# KiCad board sun3_60.kicad_pcb (continued)
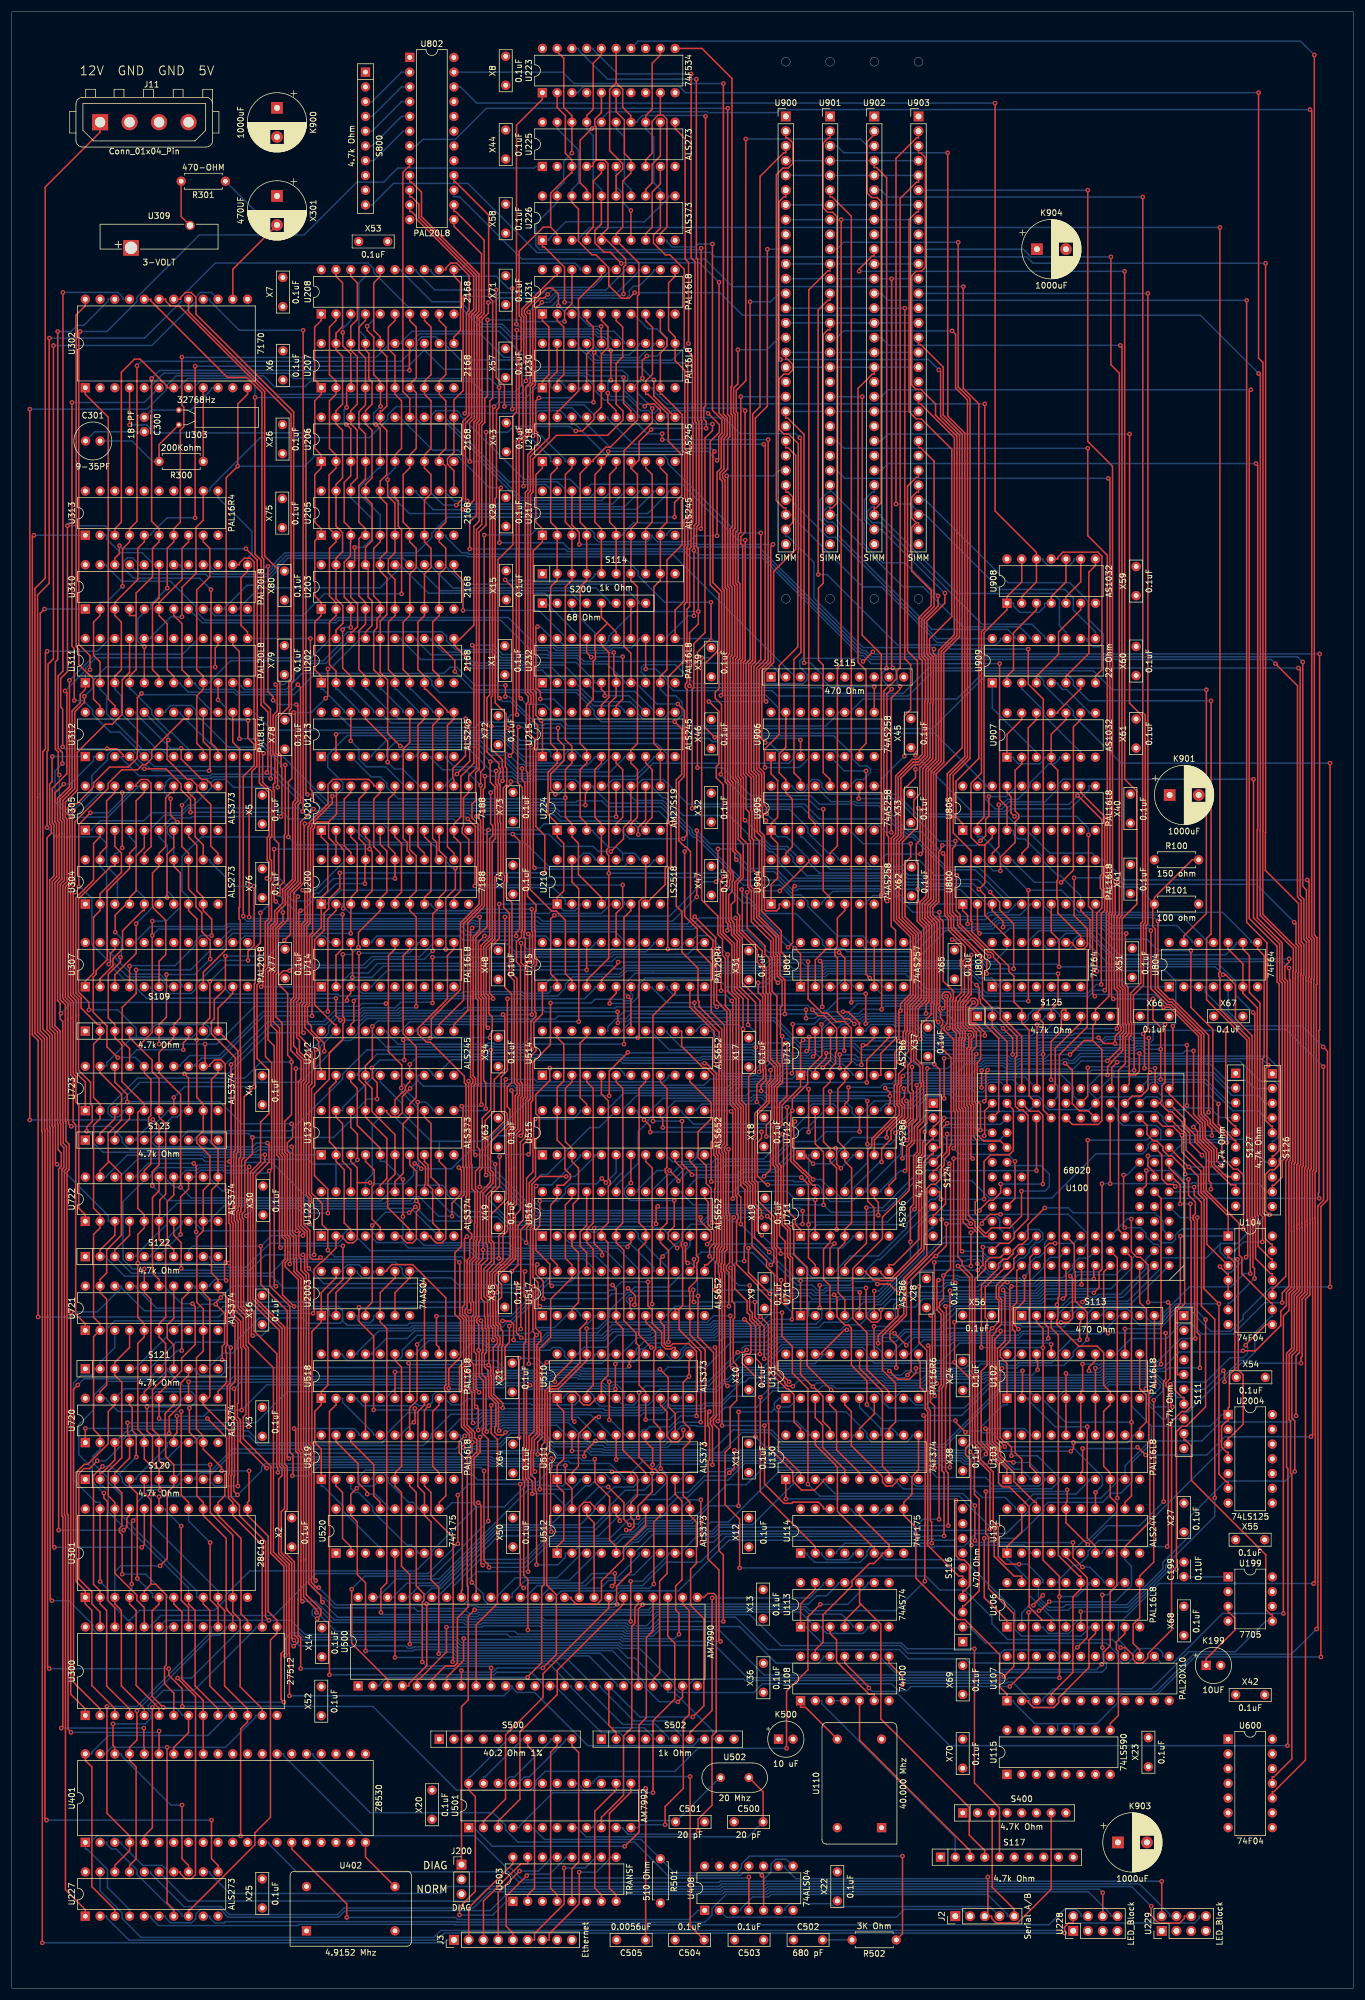
[diagram p0: board, top side]
## Routing (per net, layer and track width the routed paths; a pad name or vN(x,y) marks a point on that pad's centre or on a via; arc(x,y) is an arc through that point) (continued)
/E.HOLD-: length 122.5
  Top w0.25: v1(120.67,67.23) 120.67,47.87 116.84,44.04 S502.7 ; U520.5 v1(66.04,56.98)
  Bottom w0.25: S502.7 115.71,42.92 115.71,43.2 112.86,46.05 107.21,46.05 101.47,51.8 101.47,52.08 U500.17 95.62,56.8 76.43,56.8 76.27,56.97 73.95,56.97 73.88,56.89 73.27,56.89 73.19,56.98 v1(66.04,56.98) ; v1(120.67,67.23) 137.51,67.23 139.86,69.58 139.86,69.86 U113.12
/E.IRQ-: length 215.6
  Top w0.25: v1(42.7,178.84) 42.7,173.18 42.27,172.76 42.27,160.13 44.32,158.07 44.32,150.58 42.89,149.14 42.89,142.33 41.15,140.59 41.15,118.26 46.13,113.27 46.13,89.93 46.58,89.48 46.58,88.29 46,87.71 46,74.86 47.81,73.05 47.81,57.67 47.86,57.62 v1(47.86,50.37)
  Bottom w0.25: v1(42.7,178.84) 42.59,178.95 40.64,178.95 U307.13 ; U500.11 86.23,52.08 86.23,51.8 ; v1(47.86,50.37) 84.8,50.37 86.23,51.8 ; 86.23,51.8 87.07,50.95 90.09,50.95 99.26,41.79 117.41,41.79 118.25,42.63 118.25,42.92 S502.8
/E.REQ-: length 102.4
  Top w0.25: v1(129.01,115.63) 130.37,114.27 130.37,97.27 130.42,97.21 130.42,93.13 134.56,88.99 134.56,87.34 136.1,85.8 138.3,85.8 139.86,87.36 139.86,87.64 U130.4
  Bottom w0.25: v1(129.01,115.63) 127.84,114.47 121.08,114.47 120.43,113.81 110.05,113.81 109.75,113.51 103.37,113.51 102.68,112.82 102.68,112.73 101.93,111.98 92.6,111.98 91.49,110.86 82.01,110.86 81.37,111.5 71.78,111.5 69.71,109.43 69.71,109.22 U518.14
/EN.CAS: length 237.9
  Top w0.25: v1(118.14,210.18) 118.14,230.08 120.48,232.42 v1(120.48,238.66)
  Bottom w0.25: v1(118.14,210.18) 122.48,210.18 127.31,205.35 137.67,205.35 139.14,203.89 145.21,203.89 145.43,203.66 149.34,203.66 154.33,198.68 155.4,198.68 161.03,193.05 166.62,193.05 171.84,187.83 177.08,187.83 177.81,187.09 177.81,186.35 179.34,184.82 201.43,184.82 205.89,180.36 205.89,180.08 U804.11 ; U310.21 21.95,243.49 33.43,243.49 33.87,243.06 44.04,243.06 45.34,244.35 45.34,244.74 47.3,246.71 78.38,246.71 78.6,246.49 105.41,246.49 107.95,243.95 107.95,243.2 112.49,238.66 v1(120.48,238.66)
/EN.DEV-: length 297
  Top w0.25: v1(176.74,106.52) 176.74,107.89 176.55,108.09 U102.18 ; v1(122.58,191.39) 122.58,191.13 122.1,190.65 122.1,181.65 124.07,179.69 124.07,171.68 125.26,170.49 125.26,158.57 125.27,158.56 125.27,152.64 126.06,151.84 126.06,138.65 126.76,137.94 126.76,134.46 127.54,133.69 127.54,127.88 130.05,125.37 130.05,124.26 131.39,122.92 131.39,106.28 133.22,104.45 133.22,104.14 133.64,103.72 134.57,103.72 v1(134.61,103.68) ; U715.4 99.06,173.58 102.87,177.39 v1(102.87,192) 102.87,195.08 102.5,195.45 102.5,196.05 102.87,196.42 102.87,221.15 104.14,222.42 U232.6 104.14,225.93 103.73,226.33 v1(103.73,230.01)
  Bottom w0.25: v1(122.58,191.39) 121.97,192 v1(102.87,192) ; v1(103.73,230.01) 103.66,229.94 92.71,229.94 92.25,230.39 89.43,230.39 84.23,235.58 56.34,235.58 55.88,235.13 32.85,235.13 U310.8 ; v1(134.61,103.68) 135.6,104.68 149.88,104.68 150.35,104.22 152.07,104.22 152.09,104.24 156.79,104.24 157.9,105.35 167.39,105.35 167.65,105.61 175.84,105.61 v1(176.74,106.52)
/EN.E-: length 206.9
  Top w0.25: v1(49.03,221.05) 49.31,220.76 49.31,204.4 48.86,203.95 48.86,201.85 48.86,201.85 48.86,190.78 47.13,189.05 47.13,186.6 46.5,185.97 46.43,185.97 46.01,185.55 46.01,185.48 45.77,185.24 45.77,183.43 45.05,182.71 45.05,175.39 44.63,174.96 44.63,165.88 45.7,164.82 45.7,143.46 46.15,143.01 46.15,127.71 v1(46.32,127.54) ; v1(57.06,127.84) 57.06,122.06 54.47,119.46 54.47,103.85 53.34,102.73 U518.1 53.34,100.47 52.21,99.35 52.21,93.98 53.34,92.85 U519.1 ; v1(44.16,244.84) 44.16,223.28 45.04,222.41 v1(45.04,221.78)
  Bottom w0.25: v1(44.16,244.84) 43.82,244.84 42.96,243.98 35.08,243.98 34.15,244.91 34.15,245.12 U310.16 ; v1(45.04,221.78) 45.77,221.05 v1(49.03,221.05) ; U520.4 63.5,76.07 63.22,76.07 57.15,82.13 57.15,82.99 53.62,86.51 53.34,86.51 U519.1 ; v1(46.32,127.54) 46.63,127.84 v1(57.06,127.84)
/EN.UART-: length 344.3
  Top w0.25: v1(227.12,210.96) v1(227.12,120.78) ; v1(191.78,113.56) U102.12 ; v1(85.06,224.36) v1(85.06,222.41)
  Bottom w0.25: v1(85.06,222.41) 85.75,222.41 90.61,217.56 91.69,217.56 91.88,217.74 94.47,217.74 95.3,216.91 158.64,216.91 167.68,225.95 177.01,225.95 177.76,225.2 177.76,224.49 181.16,221.09 181.73,221.09 182.9,219.93 182.9,219.2 191.13,210.96 v1(227.12,210.96) ; v1(227.12,120.78) 216.98,120.78 212.15,115.95 212.15,115.3 209.98,113.13 206.59,113.13 204.31,115.4 204.31,115.54 202.88,116.97 201.01,116.97 199.48,115.44 199.48,115.3 197.74,113.56 v1(191.78,113.56) ; U311.11 39.23,224.8 39.23,224.52 40.09,223.66 47.29,223.66 50.06,226.42 74.48,226.42 75.53,227.48 76.68,227.48 79.8,224.36 v1(85.06,224.36)
/Ethernet/A0: length 652.2
  Top w0.25: v1(43.97,209.35) 44.14,209.51 44.14,212.97 44.14,212.98 44.14,219.79 42.98,220.95 42.98,245.33 42.98,245.33 42.98,245.89 41.93,246.94 v1(41.93,273.92) ; U230.1 91.44,276.73 92.57,277.85 92.57,286.05 91.44,287.17 U231.1 ; U720.3 17.78,90.97 15.58,88.77 15.24,88.77 S120.2 ; U300.10 35.56,48.13 31.61,52.08 31.61,65.07 30.48,66.19 U301.8 ; v1(96.94,97.6) 96.52,98.02 U510.2 ; v1(192.02,181.64) 191.86,181.49 191.86,172.81 192.31,172.36 192.31,166.26 192.46,166.11 192.46,164.39 191.86,163.78 191.86,159.24 190.69,158.07 190.69,130.63 U100.30 ; v1(107.95,198.67) 107.95,199.9 109.22,201.17 U224.10 ; v1(82.17,199.47) 81.89,199.2 81.89,182.79 79.96,180.85 79.96,170.52 80.35,170.12 80.35,155.55 80.23,155.42 80.23,144.84 80.63,144.43 80.63,143.19 80.63,143.19 80.63,141.41 79.9,140.69 79.9,137.68 80.24,137.34 80.24,131.3 80.17,131.24 80.17,128.88 80.02,128.72 80.02,125.68 79.36,125.02 79.36,118.32 79.57,118.11 79.57,115.97 79.23,115.63 79.23,113.83 79.23,113.83 79.23,107.85 79.57,107.5 79.57,103.04 79.76,102.85 79.76,100.38 v1(80.03,100.11) 80.38,99.76 v1(80.38,96.13) ; U800.3 168.93,185.57 170.79,183.71 v1(170.79,182.73)
  Bottom w0.25: U800.3 167.8,186.7 167.8,186.91 164.95,189.76 157.29,189.76 156.61,190.44 154.11,190.44 152.96,191.59 137,191.59 134.63,193.95 134.63,194.71 133.18,196.16 130.67,196.16 129.14,197.69 127.89,197.69 123.62,201.95 115.68,201.95 112.65,204.99 112.18,204.99 110.35,206.83 110.35,207.02 U224.10 ; 43.97,209.06 44.95,209.06 51.72,202.29 78.72,202.29 79.3,201.71 79.3,201.51 81.35,199.47 v1(82.17,199.47) 90.71,199.47 91.77,200.53 107.16,200.53 107.95,199.75 v1(107.95,198.67) ; 43.97,209.06 v1(43.97,209.35) ; 43.97,209.06 34.47,209.06 34.19,208.79 21.94,208.79 18.91,211.82 18.91,212.1 U312.3 ; v1(96.94,97.6) 96.67,97.88 84.57,97.88 84.56,97.88 84.27,97.88 84.05,97.66 81.91,97.66 v1(80.38,96.13) ; U720.3 19.64,95.84 20.28,95.84 20.75,96.31 39.84,96.31 40.17,95.98 40.79,95.98 42,94.77 42,94.64 42.71,93.93 63.78,93.93 64.63,94.78 64.63,95.51 68.24,99.13 69.78,99.13 70.23,99.58 79.5,99.58 v1(80.03,100.11) ; U301.8 30.48,68.92 19.78,79.62 19.08,79.62 16.63,82.07 16.63,85.61 15.73,86.51 15.24,86.51 S120.2 ; v1(192.02,181.64) 189.49,181.64 188.12,183.02 171.07,183.02 v1(170.79,182.73) ; U230.1 90.31,275.6 88.63,273.92 v1(41.93,273.92) 41.93,275.94 41.12,276.75 32.48,276.75 31.61,275.88 31.61,275.6 U302.8
/Ethernet/A1: length 787.8
  Top w0.25: v1(86.92,181.21) 86.92,181.79 87.51,182.37 87.51,197.57 v1(86.33,198.74) ; U302.7 26.81,275.6 26.81,275.85 22.14,280.52 21.16,280.52 18.91,278.27 18.91,252.45 17.78,251.33 U313.3 ; v1(9.62,251.83) 9.62,226.71 8.45,225.54 8.45,220.62 8.79,220.27 v1(8.79,213.78) ; v1(30.83,202.52) 30.83,204.75 29.21,206.36 29.21,207.35 26.57,209.98 v1(22.87,209.98) ; U500.21 110.5,53.21 111.63,54.33 111.63,70.13 112.91,71.42 112.91,88.08 112.23,88.77 111.53,88.77 110.86,89.43 110.12,89.43 108.08,91.47 v1(108.08,102.6) ; U401.32 U300.9 33.02,49.57 29.34,53.26 29.34,64.8 27.94,66.19 U301.7 ; U231.2 93.98,287.17 95.11,286.05 95.11,277.85 93.98,276.73 U230.2 ; v1(75.3,103.34) 75.3,106.65 77.34,108.69 77.34,115.08 76.37,116.05 76.37,126.67 77.49,127.8 77.49,136.2 77.94,136.65 77.94,141.25 77.75,141.44 77.75,151.66 v1(77.53,151.89) ; v1(19.98,97.38) 19.98,95.45 20.32,95.11 U720.4 20.32,91.31 17.78,88.77 S120.3 17.78,86.51 19,85.29 19,79.62 18.57,79.19 18.57,78.59 19.05,78.11 v1(19.05,71.32) ; v1(16.45,213.44) 18.14,213.44 19.19,212.38 19.19,212.1 U312.4 ; v1(80.95,152.16) 80.86,152.25 80.86,170.25 80.41,170.7 80.41,180.14 v1(81.47,181.21) ; v1(103.22,195.75) 105.41,197.94 105.41,199.9 106.68,201.17 U224.11
  Bottom w0.25: U100.2 191.39,118.98 187.33,118.98 186.92,118.57 185.55,118.57 185.14,118.98 182.39,118.98 180.38,116.98 170.27,116.98 170.21,117.03 163.29,117.03 159.73,113.47 153.78,113.47 152.8,112.49 152.38,112.07 149.96,112.07 149.77,112.25 148.79,112.25 148.74,112.2 131.87,112.2 130.51,110.84 130.28,110.84 130.11,110.66 126.3,110.66 125.84,110.2 125.84,109.23 124.12,107.51 123.87,107.51 120.1,103.73 109.21,103.73 v1(108.08,102.6) 108.08,101.39 107.15,100.46 105.28,100.46 U510.5 103.01,101.6 103.01,101.88 101.69,103.2 101.56,103.2 101.5,103.26 94.71,103.26 94.26,102.8 92.91,102.8 92.53,103.18 89.66,103.18 89.6,103.12 88.93,103.12 88.25,103.8 85.09,103.8 84.71,103.42 80.3,103.42 80.03,103.15 77.36,103.15 77.29,103.22 75.42,103.22 v1(75.3,103.34) 66.11,103.34 64.63,101.85 64.63,101.6 64.06,101.6 ; 64.06,101.6 62.92,102.75 47.47,102.75 42.15,97.43 40.28,97.43 40.23,97.38 v1(19.98,97.38) ; 64.06,101.6 U518.5 ; v1(81.47,181.21) v1(86.92,181.21) ; v1(80.95,152.16) 80.68,151.89 v1(77.53,151.89) ; v1(22.87,209.98) 22.44,209.98 U312.4 ; v1(19.05,71.32) 23.09,71.32 26.81,67.6 26.81,67.32 U301.7 ; U302.7 29.07,275.6 29.07,275.88 30.39,277.21 42.76,277.21 45.52,274.45 87.58,274.45 89.86,276.73 92.38,276.73 92.85,276.25 92.85,275.6 U230.2 ; U313.3 16.15,251.83 v1(9.62,251.83) ; v1(30.83,202.52) 46.67,202.52 47.84,201.34 76.11,201.34 76.81,200.64 79.4,200.64 81.3,198.74 v1(86.33,198.74) 92.58,198.74 94.69,196.62 100.19,196.62 101.06,195.75 v1(103.22,195.75) ; v1(8.79,213.78) 9.12,213.44 v1(16.45,213.44) ; U224.11 107.81,207.02 107.81,207.3 108.65,208.15 112.26,208.15 116.49,203.92 136.61,203.92 139.17,201.35 150.99,201.35 154.11,198.23 155.21,198.23 160.84,192.59 165.98,192.59 171.47,187.11 U800.4
/Ethernet/A2: length 584
  Top w0.25: v1(26.13,48.37) 24.21,50.29 24.21,65 25.4,66.19 U301.6 ; v1(10.79,221.75) 10.79,230.69 10.39,231.09 v1(10.39,273.06) ; U100.64 172.85,136 v1(172.85,142.41) ; U401.34 27.94,41.5 30.48,44.04 U300.8 ; v1(36.83,177.74) 36.83,172.11 34.92,170.2 34.92,166.96 34.42,166.46 34.42,164.37 38.54,160.25 38.54,144.33 38.25,144.05 38.25,135.02 38.14,134.9 38.14,134.31 37.89,134.06 37.89,131.96 38.14,131.71 38.14,116.13 39.45,114.82 39.45,110.36 39.63,110.19 v1(39.63,99.56) ; v1(21.65,70.56) 21.65,85.18 20.32,86.51 S120.4 ; U801.11 U801.6 ; v1(28.47,98.56) 28.47,95.63 27.94,95.11 U720.7 ; U801.14 140.99,178.95 140.3,178.95 138.44,177.1 U801.2 ; v1(162.28,144.64) 162.55,144.9 162.55,150.83 162.28,151.1 162.28,163.37 160.64,165 160.64,165.6 161.19,166.15 161.19,170.69 v1(161.04,170.84) ; v1(52,203.05) 49.77,200.81 49.77,190.41 49.63,190.27 49.63,190.27 48.68,189.32 48.67,189.32 48.04,188.68 48.04,181.52 v1(46.98,180.46) ; U224.12 v1(104.14,201.74)
  Bottom w0.25: v1(172.85,142.41) 171.64,143.61 163.31,143.61 v1(162.28,144.64) ; 142.26,181.2 142.11,181.06 142.11,180.08 U801.14 ; 142.26,181.2 137.18,186.28 137.18,187.08 135.99,188.27 134.67,188.27 133.98,188.96 133.98,189.01 133.22,189.77 133.22,189.77 132.15,190.84 125.87,190.84 118.09,198.62 117.66,198.62 117.24,199.05 117.24,199.48 112.18,204.54 107.47,204.54 105.27,206.74 105.27,207.02 U224.12 ; 142.26,181.2 146.63,181.2 147.48,180.36 147.48,180.08 U801.11 ; U302.6 22.86,273.06 v1(10.39,273.06) ; U720.7 26.81,93.98 26.81,93.29 21.45,87.92 21.45,87.64 S120.4 ; v1(10.79,221.75) 12.34,221.75 13.97,220.12 13.97,219.36 17.02,216.31 18.65,216.31 U312.5 24.58,210.38 44.67,210.38 v1(52,203.05) 52.31,202.74 93.62,202.74 94.61,201.74 v1(104.14,201.74) ; U510.6 105.55,101.6 105.55,102.69 104.31,103.94 103.71,103.94 103.48,103.71 102.65,103.71 102.5,103.71 102.05,104.16 94.34,104.16 94.31,104.13 93.88,103.71 93.28,103.71 92.9,104.09 90.1,104.09 90.03,104.16 89.6,104.58 88.7,104.58 88.38,104.26 84.9,104.26 84.57,103.93 80.16,103.93 79.84,103.6 77.54,103.6 77.48,103.67 77.32,103.67 77.07,103.93 75.74,103.93 75.6,104.06 75,104.06 74.86,103.93 43.99,103.93 v1(39.63,99.56) 34.15,99.56 33.08,98.49 28.53,98.49 v1(28.47,98.56) ; U301.6 24.27,67.32 24.27,67.94 v1(21.65,70.56) ; v1(46.98,180.46) 44.26,177.74 v1(36.83,177.74) ; U300.8 29.35,47 29.35,47.23 28.22,48.37 v1(26.13,48.37) ; U801.6 150.1,170.96 160.92,170.96 v1(161.04,170.84)
/Ethernet/A3: length 548.4
  Top w0.25: v1(152.4,106.87) 152.4,110.76 151.31,111.84 151.31,113.06 154.15,115.89 154.15,122.08 160.21,128.14 v1(160.21,132.4) ; 85.17,217.03 85.17,219.47 83.3,221.35 83.3,256.51 83.52,256.73 83.52,271.73 83.97,272.18 v1(83.97,275.62) ; 85.17,217.03 85.05,216.91 85.05,210.35 85.28,210.12 85.28,207.31 84.7,206.73 84.7,191.84 84.93,191.61 84.93,190.69 84.76,190.52 84.76,186.11 85.74,185.12 85.74,174.32 86.59,173.47 86.59,155.92 87.06,155.44 87.06,154 86.75,153.69 86.75,148.15 86.58,147.98 86.58,147.98 86.09,147.49 86.09,141.07 86.09,141.06 86.09,135.39 85.43,134.73 85.43,130.41 84.64,129.62 84.64,125.4 84.22,124.97 84.08,124.97 82.34,123.23 82.34,119.46 82.9,118.89 82.9,118.81 82.9,116.36 82.94,116.32 82.94,114.24 83.33,113.86 83.33,112.26 83.69,111.89 83.69,111.67 83.69,111.07 82.97,110.35 82.97,105.79 83.08,105.68 83.08,102.29 84.6,100.77 v1(84.6,99.96) ; 85.17,217.03 v1(85.45,217.03) ; 23.99,69.57 22.86,68.45 U301.5 ; 23.99,69.57 24.82,69.57 26.65,67.74 26.65,55.66 26.34,55.35 26.34,52.46 27.94,50.86 U300.7 ; 23.99,69.57 23.99,84.13 22.86,85.26 S120.5
  Bottom w0.25: U224.13 102.73,207.02 102.73,207.3 103.57,208.15 107.69,208.15 110.49,210.95 112.94,210.95 ; v1(152.4,106.87) 152.13,107.14 131.37,107.14 130.25,106.02 125.19,106.02 123.63,104.45 123.02,104.45 122.6,104.03 122.6,103.94 121.39,102.73 116.27,102.73 115.43,101.88 115.43,101.6 U510.9 113.17,101.6 113.17,101.42 111.74,99.99 108.26,99.99 107.82,99.55 102.21,99.55 101.95,99.82 84.74,99.82 v1(84.6,99.96) 83.79,99.96 83.39,99.55 80.65,99.55 79.97,98.86 75.67,98.86 72.25,95.44 72.25,94.79 70.94,93.48 42.53,93.48 40.89,95.11 32.46,95.11 31.61,94.26 31.61,93.98 U720.8 29.35,93.98 29.35,93.8 26.77,91.21 25.65,91.21 23.99,89.54 23.99,87.64 S120.5 ; v1(85.45,217.03) 87.62,214.86 89.7,214.86 90.23,214.33 111.17,214.33 112.94,212.56 112.94,210.95 ; 112.94,210.95 133.87,210.95 134.63,211.71 134.63,212.47 135.39,213.23 141.55,213.23 142.4,212.38 142.4,212.1 U906.6 ; U100.52 168.6,132.4 v1(160.21,132.4) ; U302.5 23.99,275.6 23.99,275.88 26.22,278.11 47.64,278.11 48.57,277.18 82.41,277.18 v1(83.97,275.62)
/Ethernet/A4: length 568.4
  Top w0.25: v1(25.58,85.76) 25.58,86.34 25.4,86.51 S120.6 25.4,89.41 24.27,90.53 24.27,95.03 23.32,95.99 v1(23.32,100.15) ; U301.4 20.32,66.19 21.45,65.07 21.45,52.19 25.4,48.24 U300.6 ; v1(20.92,80.52) 20.68,80.29 v1(20.68,69.61) ; v1(109.62,121.65) 109.62,117.52 110.35,116.79 110.35,114.57 111.98,112.94 111.98,110.79 112.67,110.1 113.65,110.1 113.89,110.35 114.3,110.35 U510.12 ; v1(98.84,203.73) 98.84,205.67 99.06,205.89 U224.14 ; v1(50.96,267.82) 50.7,267.56 50.7,205.83 v1(50.96,205.57) ; U720.13 v1(30.48,104.46) ; U302.4 v1(20.32,269.21) ; v1(85.75,114.04) 85.75,111.21 84.98,110.45 84.98,105.72 85.01,105.7 85.01,105.09 84.58,104.67 83.96,104.67 83.53,105.1 83.53,106.06 v1(83.7,106.22) 83.81,106.33 83.81,110.55 84.14,110.88 84.14,112.08 83.78,112.44 83.78,114.04 83.39,114.43 83.39,116.51 83.36,116.54 83.36,119.08 82.8,119.63 82.8,123.05 84.27,124.52 84.4,124.52 85.88,126 85.88,134.54 86.54,135.2 86.54,141.25 86.54,141.25 86.54,147.3 87.21,147.97 87.21,153.51 87.51,153.82 87.51,155.63 87.06,156.08 87.06,173.85 86.19,174.72 86.19,186.93 85.21,187.91 85.21,190.29 85.38,190.46 85.38,191.8 85.15,192.03 85.15,206.54 86.01,207.4 v1(86.01,207.78)
  Bottom w0.25: v1(23.32,100.15) 28.18,100.15 29.35,101.32 29.35,101.6 U720.13 ; v1(86.01,207.78) 89.9,207.78 90.29,208.17 97.07,208.17 97.93,207.3 97.93,207.02 U224.14 100.19,207.02 100.19,206.74 102.84,204.08 111.94,204.08 116.78,199.25 116.78,198.86 117.47,198.17 117.86,198.17 126.1,189.93 132.42,189.93 133.53,188.82 133.53,188.77 134.78,187.52 134.78,186.7 U904.3 ; v1(25.58,85.76) 25.49,85.85 23.78,85.85 21.59,83.66 21.59,81.2 v1(20.92,80.52) ; v1(50.96,267.82) 24.65,267.82 23.27,269.21 v1(20.32,269.21) ; v1(30.48,104.46) 37.33,104.46 38.27,105.4 74.42,105.4 74.44,105.42 77.49,105.42 77.89,105.02 78.04,105.02 78.1,104.96 79.28,104.96 79.72,105.4 82.87,105.4 v1(83.7,106.22) ; U510.12 115.24,109.22 115.24,109.85 116.94,111.56 122.1,111.56 122.72,112.18 129.76,112.18 130.92,113.33 142.79,113.33 143.7,114.25 146.13,114.25 147.48,115.6 147.48,116.31 148.91,117.74 149.83,117.74 152.01,119.92 152.01,120.05 152.44,120.47 152.56,120.47 160.46,128.37 171.9,128.37 172.6,129.06 172.6,130.95 U100.51 ; v1(109.62,121.65) 105.1,121.65 103.68,120.22 103.04,120.22 102.58,119.77 91.48,119.77 v1(85.75,114.04) ; v1(20.68,69.61) 20.68,68.81 20.32,68.45 U301.4 ; v1(98.84,203.73) 54.19,203.73 52.35,205.57 v1(50.96,205.57)
/Ethernet/A5: length 319
  Top w0.25: v1(106.39,107.12) 106.39,107.81 106.68,108.09 U510.15 ; v1(87.43,108.51) v1(87.43,94.85) ; v1(145.16,166.06) 144.28,166.94 143.42,166.94 142.25,168.11 142.25,177.48 141.81,177.92 141.81,178.94 142.25,179.38 142.25,184.3 143.53,185.57 U904.6 ; U300.5 22.86,48.13 18.91,52.08 18.91,65.07 17.78,66.19 U301.3 ; U100.39 168.88,129.49 167.6,129.49 165.96,131.13 165.96,131.96 164.82,133.1 164.82,148.68 164.81,148.68 164.81,151.76 164.54,152.04 164.54,161.81 164.88,162.15 164.88,163.99 v1(165.02,164.12) ; U720.14 27.94,100.47 26.43,98.96 26.43,95.26 26.53,95.17 26.53,91.58 27.94,90.16 S120.7 27.94,86.51 26.81,85.39 26.81,73.99 v1(25.57,72.75)
  Bottom w0.25: U510.15 107.81,109.22 107.81,109.44 107.58,109.66 107.58,110.04 109.1,111.56 110.58,111.56 111.03,112.01 121.18,112.01 121.8,112.63 129.51,112.63 130.67,113.79 139.05,113.79 139.97,114.7 143.98,114.7 144.94,115.66 144.94,116.31 146.82,118.19 149.52,118.19 160.72,129.4 168.78,129.4 U100.39 ; v1(145.16,166.06) 146.06,166.06 146.83,166.83 147.51,166.83 147.62,166.94 152.21,166.94 152.51,166.64 158.28,166.64 160.8,164.12 162.44,164.12 162.71,164.4 164.74,164.4 v1(165.02,164.12) ; v1(25.57,72.75) 18.78,72.75 17.78,71.75 U301.3 ; S120.7 29.53,89.23 34.05,89.23 34.09,89.19 34.4,89.19 38.07,92.86 76.51,92.86 77.51,93.86 78.11,93.86 78.66,93.31 80.02,93.31 80.03,93.3 84.3,93.3 85.86,94.85 v1(87.43,94.85) ; v1(106.39,107.12) 105.99,106.72 98.42,106.72 98.17,106.97 92.03,106.97 90.49,108.51 v1(87.43,108.51)
/Ethernet/A6: length 343.1
  Top w0.25: v1(152.74,119.75) 151.22,121.27 v1(149.16,121.27) ; v1(139.2,117.18) v1(139.2,121.07) ; v1(21.47,91.5) 21.47,95.36 20.77,96.06 20.77,100.02 20.32,100.47 U720.17 ; v1(15.66,89.88) 14.11,88.32 14.11,69.58 15.24,68.45 U301.2 15.24,66.19 16.37,65.07 16.37,52.08 20.32,48.13 U300.4 ; v1(167.31,127.64) 167.31,124.54 v1(166.44,123.66) ; v1(90.61,91.94) 90.61,94.09 91.38,94.86 91.38,106.99 v1(92.21,107.81) ; U100.26 170.19,128.27 171.8,128.27 172.74,129.21 172.74,130.11 175.09,132.47 175.09,150.36 174.22,151.23 173.58,151.23 172.91,151.9 172.91,160.25 173.17,160.5 173.17,163.94 170.31,166.8 170.31,176.36 169.14,177.54 169.14,177.98 168.71,178.4 168.27,178.4 163.41,183.27 163.41,184.89 162.72,185.58 162.72,191.54 v1(162.82,191.64)
  Bottom w0.25: v1(15.66,89.88) 17.15,89.88 18.5,88.53 ; U100.26 168.29,127.64 v1(167.31,127.64) ; v1(92.21,107.81) 92.41,107.62 101.7,107.62 103.01,108.94 103.01,109.22 U510.16 105.27,109.22 105.27,109.5 107.77,112.01 110.39,112.01 110.84,112.46 120.99,112.46 121.64,113.11 129.33,113.11 130.6,114.38 138.58,114.38 139.57,115.37 139.57,116.81 v1(139.2,117.18) ; 18.5,88.53 v1(21.47,91.5) ; 18.5,88.53 19.05,87.98 19.05,87.25 19.78,86.51 28.51,86.51 29.35,87.36 29.35,87.64 S120.8 31.61,87.64 31.61,87.92 32.45,88.77 33.87,88.77 33.9,88.74 34.59,88.74 38.03,92.18 80.38,92.18 80.43,92.12 90.43,92.12 v1(90.61,91.94) ; v1(162.82,191.64) 159,191.64 156.38,194.26 154.48,194.26 153.39,193.17 148.06,193.17 147.19,194.04 147.19,194.32 U904.10 ; v1(149.16,121.27) 148.71,121.72 145.07,121.72 144.42,121.07 v1(139.2,121.07) ; v1(166.44,123.66) 156.65,123.66 v1(152.74,119.75)
/Ethernet/A7: length 358.4
  Top w0.25: U510.19 96.52,108.09 93.58,105.16 v1(93.58,104.43) ; U904.13 137.32,194.32 137.32,193.94 v1(132.35,188.97) ; U720.18 17.78,100.47 16.65,99.35 16.65,93.79 13.09,90.23 12.51,90.23 11.12,88.84 11.12,70.03 12.7,68.45 U301.1 12.7,66.19 13.83,65.07 13.83,52.15 17.78,48.2 U300.3 ; v1(38.99,86.5) 38.95,86.54 38.95,94.39 38.95,94.4 38.95,97.68 38.45,98.18 38.45,103.12 v1(38.32,103.25) ; v1(134.41,115.19) 134.53,115.31 134.53,125.74 134.12,126.15 134.12,130.72 133.96,130.89 133.96,130.91 133.18,131.68 133.18,133.67 132.96,133.89 132.96,146.95 v1(132.81,147.1) ; v1(126.7,188.72) 126.7,182.55 129.78,179.48 129.78,178.05 130.55,177.28 130.55,171.5 130.74,171.31 130.74,160.05 131.91,158.87 131.91,156.39 130.93,155.42 130.93,149.58 130.01,148.65 v1(130.01,146.68)
  Bottom w0.25: S120.9 34.15,87.64 34.15,87.36 35.01,86.5 v1(38.99,86.5) ; U510.19 97.65,109.22 97.65,109.4 98.65,110.4 102.35,110.4 104.41,112.46 109.97,112.46 110.43,112.91 120.8,112.91 121.46,113.56 128.51,113.56 129.09,114.14 129.72,114.14 130.77,115.19 v1(134.41,115.19) 134.41,116.4 132.57,118.23 132.57,118.74 133.1,119.26 137.32,119.26 137.88,118.71 141.99,118.71 142.38,119.1 149.13,119.1 156.14,126.1 156.14,131.12 158.23,133.21 169.35,133.21 170.22,132.34 170.22,130.79 U100.38 ; v1(130.01,146.68) 132.39,146.68 v1(132.81,147.1) ; v1(132.35,188.97) 126.95,188.97 v1(126.7,188.72) ; v1(93.58,104.43) 93.48,104.54 90.28,104.54 89.79,105.03 85.04,105.03 84.39,104.38 79.98,104.38 79.65,104.05 77.73,104.05 77.67,104.12 77.51,104.12 77.25,104.38 75.92,104.38 75.79,104.51 74.81,104.51 74.67,104.38 39.45,104.38 v1(38.32,103.25) 19.43,103.25 U720.18
/Ethernet/A8: length 370.1
  Top w0.25: v1(154.32,105.61) 154.96,106.25 154.96,122.05 158.98,126.08 v1(159.22,126.08) 161.02,127.89 v1(161.02,131.66) ; v1(172.62,175.54) 172.62,183.3 170.19,185.72 170.19,187.07 168.58,188.69 v1(168.58,188.77) ; U511.2 96.52,88.77 97.65,89.89 97.65,95.45 100.59,98.39 v1(101.15,98.39) ; v1(165.23,131.66) 164.36,132.53 164.36,151.57 164.08,151.85 164.08,163.17 164.25,163.34 164.25,164.82 163.45,165.62 163.45,169.66 163.84,170.05 163.84,170.17 164.29,170.63 164.29,170.74 164.82,171.28 164.82,176.31 v1(164.59,176.54) ; v1(15.24,70.05) U301.23
  Bottom w0.25: v1(15.24,70.05) 16.61,68.68 16.61,66.79 20.04,63.37 20.32,63.37 ; U511.2 95.39,87.64 95.39,86.94 94.97,86.51 92.5,86.51 92.35,86.66 90.69,86.66 90.63,86.6 88.56,86.6 84.86,82.9 80.01,82.9 72.39,75.28 72.39,74.61 69.66,71.88 41.02,71.88 36.83,67.69 36.83,66.93 34.99,65.09 22.04,65.09 20.32,63.37 ; v1(154.32,105.61) 153.84,105.14 151.72,105.14 151.7,105.12 150.72,105.12 150.06,105.79 133.42,105.79 133.42,105.79 132.15,105.79 131.03,104.66 128.85,104.66 128.13,103.94 128.13,102.62 127.47,101.96 123.92,101.96 122.29,100.32 119.73,100.32 119.22,99.82 113.45,99.82 113.22,100.04 113.12,100.04 112.16,99.08 108.86,99.08 108.41,98.63 101.39,98.63 v1(101.15,98.39) ; U300.25 20.32,63.37 ; v1(164.59,176.54) 164.79,176.34 167.44,176.34 168.24,175.54 v1(172.62,175.54) ; v1(165.23,131.66) v1(161.02,131.66) ; v1(168.58,188.77) 166.44,190.91 157.5,190.91 156.74,191.67 154.46,191.67 153.41,192.72 140.94,192.72 139.72,193.94 139.72,194.75 136.19,198.27 135.91,198.27 U905.3 ; U301.23 15.24,83.69 14.54,83.69 10.67,87.55 10.67,104.24 11.98,105.55 13.69,105.55 14.11,105.98 14.11,106.68 S121.2 15.24,107.81 17.78,110.35 U721.3 ; U100.13 167.3,126.08 v1(159.22,126.08)
/Ethernet/A9: length 422.4
  Top w0.25: v1(161.54,142.01) 161.75,141.8 161.75,123.95 v1(160.52,122.73) 160.52,118.74 159.84,118.06 159.84,117.07 160.57,116.34 160.57,103.68 160.25,103.37 160.25,89.16 160.63,88.78 v1(160.63,77.93) ; v1(103.42,69.27) 103.92,69.77 v1(103.92,71.43) ; v1(76.87,84.95) v1(76.87,76.55) ; U300.24 22.86,65.55 21.59,66.82 21.59,67.68 17.78,71.49 U301.22 17.78,83.69 16.65,84.81 16.65,89.05 18.97,91.36 18.97,104.36 17.78,105.55 S121.3 17.78,107.81 20.32,110.35 U721.4 ; v1(153.45,142.92) 153.45,147.74 154.12,148.4 154.12,149.04 154.86,149.79 154.86,154.09 154.41,154.54 154.41,157.49 154.38,157.53 154.38,158.95 154.94,159.51 154.94,164.13 155.19,164.38 155.19,167.46 155.2,167.47 155.2,169.06 156.69,170.54 156.69,181.76 153.89,184.56 153.89,193.76 154.87,194.75 v1(154.87,197.09) ; v1(87.63,86.82) 87.63,69.51 v1(88.2,68.94)
  Bottom w0.25: v1(76.87,84.95) 78.74,86.82 v1(87.63,86.82) 87.9,87.09 90.49,87.09 92.16,88.77 102.07,88.77 103.01,87.82 103.01,87.64 U511.5 ; U300.24 23.99,62.24 23.99,62.5 25.69,64.2 45.22,64.2 52.45,71.43 71.75,71.43 v1(76.87,76.55) ; v1(103.92,71.43) 99.99,71.43 98.36,69.8 89.07,69.8 v1(88.2,68.94) ; v1(153.45,142.92) 153.92,143.39 160.16,143.39 v1(161.54,142.01) ; v1(103.42,69.27) 103.5,69.35 108.69,69.35 112.74,73.39 118.63,73.39 123.05,77.81 157.99,77.81 158.11,77.93 v1(160.63,77.93) ; U100.37 175.14,130.67 176.98,130.67 177.64,130.01 177.64,129.02 177.05,128.43 176.44,128.43 175.28,127.27 175.28,126.69 174.31,125.73 173.73,125.73 172.55,124.55 172.55,124.01 171.3,122.76 171.04,122.76 170.72,122.44 163.3,122.44 163.01,122.73 v1(160.52,122.73) ; U905.6 144.65,199.4 144.65,199.12 146.68,197.09 v1(154.87,197.09)
